# KiCad board Boston-keyboard-S.kicad_pcb (continued)
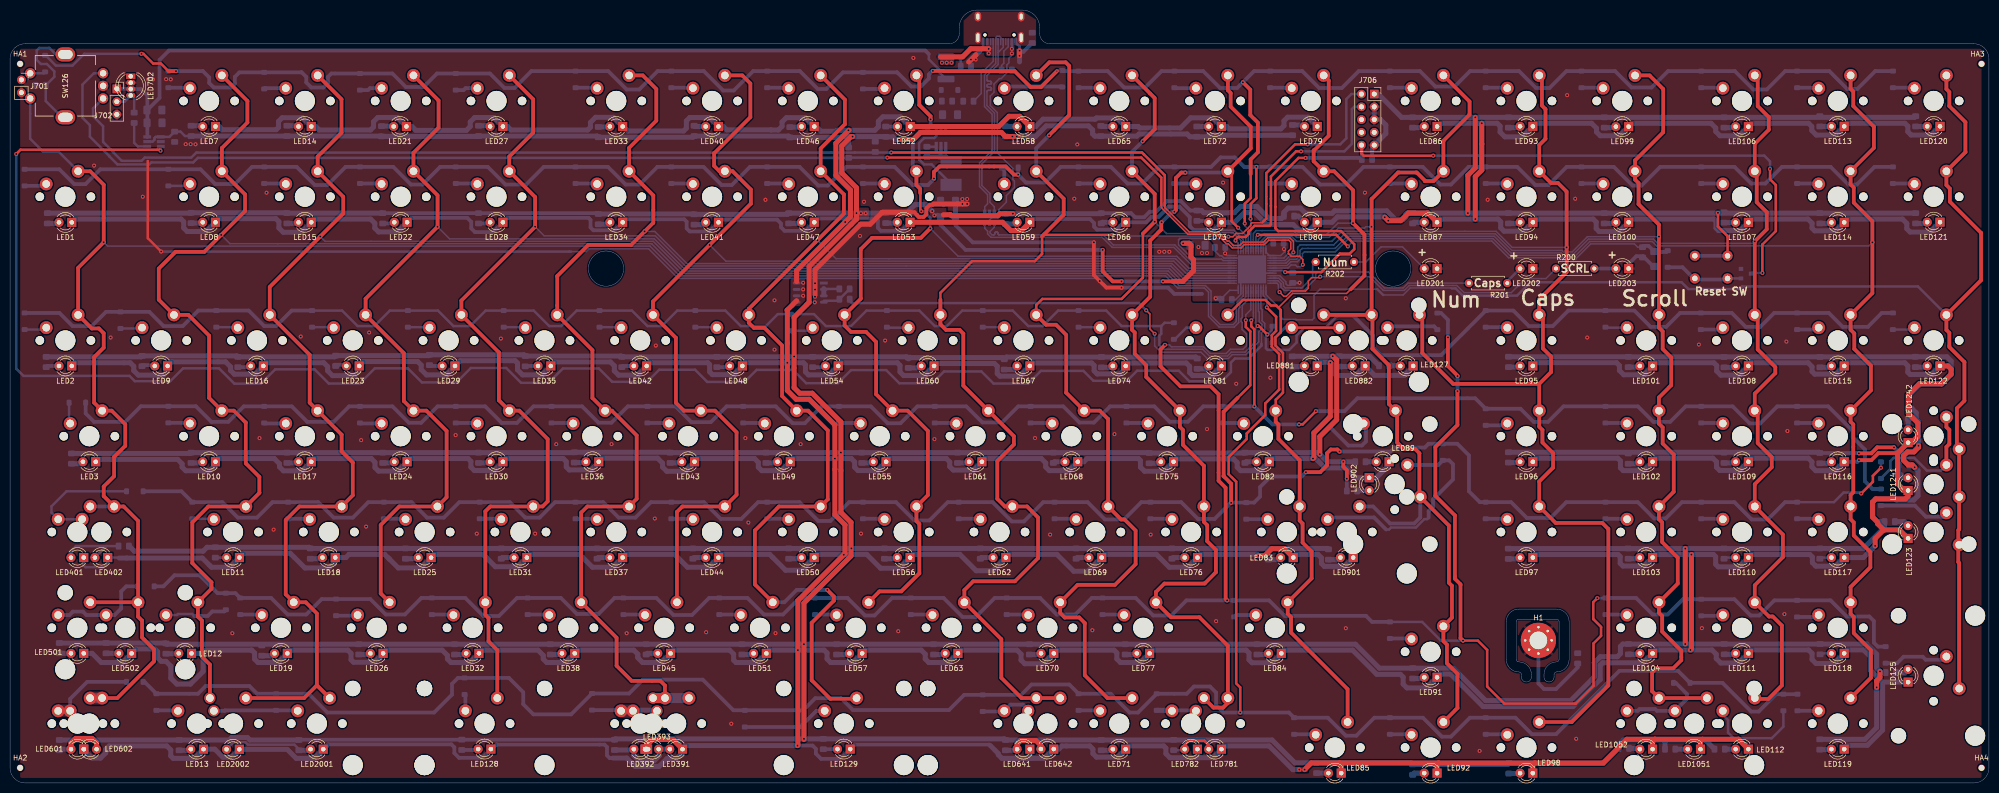
[diagram p0: board, top side]
## Routing (per net, layer and track width the routed paths; a pad name or vN(x,y) marks a point on that pad's centre or on a via; arc(x,y) is an arc through that point) (continued)
Row2: length 440.9
  Top w0.5: v1(247.81,122.51) 247.81,116.26 246.7,115.15 246.7,113.42 ; 246.7,113.42 246.65,113.37 v1(246.65,112.2) ; 246.7,113.42 246.71,113.41
  Top w0.75: v1(200.45,120.97) 199.6,120.97 197.97,122.6 184.8,122.6 183.7,121.5 v1(183.7,120.2)
  Bottom w0.3: 247.59,122.42 247.5,122.51 ; U701.42 246.71,112.14 v1(246.65,112.2)
  Bottom w0.75: v1(200.45,120.97) D59.1 ; v1(183.7,120.2) 183.7,120.1 182.52,118.92 182.52,118.9 179.5,118.9 175.89,122.51 D53.1 166.31,122.51 162.6,118.8 160.7,118.8 156.99,122.51 D47.1 147.11,122.51 143.5,118.9 141.5,118.9 137.89,122.51 D41.1 128.71,122.51 125.2,119 122.4,119 118.89,122.51 D34.1 106.11,122.51 102.6,119 98.5,119 94.99,122.51 D28.1 85.51,122.51 82,119 79.7,119 76.19,122.51 D22.1 66.71,122.51 63.1,118.9 60.6,118.9 56.99,122.51 D15.1 48.11,122.51 44.7,119.1 40.8,119.1 37.86,122.03 D8.1 17.94,122.03 15,119.09 12.75,119.09 9.81,122.03 D1.1 ; 200.45,120.95 202,119.4 205.8,119.4 208.91,122.51 D66.1 218.89,122.51 222.2,119.2 225.1,119.2 228.41,122.51 D73.1 238.81,122.51 240.7,124.4 243.5,124.4 245.39,122.51 v1(247.81,122.51) D80.1 256.99,122.51 260.5,119 265.6,119 269.11,122.51 D87.1 280.89,122.51 284.4,119 286.5,119 290.01,122.51 D94.1 299.69,122.51 303.3,118.9 305.9,118.9 309.51,122.51 D100.1 318.89,122.51 322.6,118.8 324.4,118.8 328.11,122.51 D107.1 342.89,122.51 346.2,119.2 349,119.2 352.31,122.51 D114.1 361.99,122.51 365.5,119 367.2,119 370.71,122.51 D121.1
Row3: length 446.5
  Top w0.5: v1(248.06,90.86) 248.32,90.86 v1(250,89.17)
  Bottom w0.3: 228.53,87.05 229.32,86.25 237.11,86.25 238.46,84.91 242.07,84.91 242.84,85.67 245.56,85.67 247.66,87.78 247.66,90.46 v1(248.06,90.86) 247.71,91.2 U701.17
  Bottom w0.5: 228.53,87.05 228.53,88.95 228.9,89.33 228.9,90.86 ; 250.86,90.86 250.86,89.99 249.72,88.85 249.72,86.44 250.04,86.12 254.33,86.12 255.8,87.59 255.8,88.98 257.45,90.63 261.66,90.63 263.79,92.76 267.22,92.76 ; 228.9,90.86 229.56,91.52 D81.1 ; 228.9,90.86 221.03,90.86 217.95,93.94 D74.1 208.39,93.94 205.31,90.86 202.45,90.86 199.37,93.94 D67.1 189.34,93.94 186.26,90.86 183.88,90.86 180.8,93.94 D60.1 170.29,93.94 167.21,90.86 162.22,90.86 159.85,93.22 152.65,93.22 150.28,90.86 145.3,90.86 142.22,93.94 D48.1 132.66,93.94 129.59,90.86 126.73,90.86 123.65,93.94 D42.1 112.66,93.94 109.58,90.86 107.2,90.86 104.12,93.94 D35.1 94.56,93.94 91.49,90.86 88.15,90.86 85.07,93.94 D29.1 75.51,93.94 72.44,90.86 69.1,90.86 66.02,93.94 D23.1
  Bottom w0.75: D23.1 55.99,93.94 52.91,90.86 50.53,90.86 47.45,93.94 D16.1 37.42,93.94 34.34,90.86 30.53,90.86 27.7,93.68 D9.1 19.06,93.68 16.24,90.86 12.43,90.86 9.83,93.46 D2.1 ; D122.1 372.16,93.46 369.4,90.7 364.4,90.7 361.64,93.46 D115.1 350.76,93.46 348,90.7 345.1,90.7 342.34,93.46 D108.1 332.06,93.46 329.3,90.7 326.2,90.7 322.96,93.94 D101.1 309.83,93.94 306.75,90.86 301.99,90.86 298.91,93.94 D95.1 284.55,85.07 272.58,85.07 271,86.65 271,88.98 267.22,92.76
Row4: length 437.7
  Top w0.5: v1(246.8,92) 246.8,90.8 247.41,90.19 v1(247.41,74.89) ; v1(259.64,73.93) 257.01,71.3 v1(256.3,71.3)
  Bottom w0.3: v1(246.8,92) 247.21,92.41 U701.18
  Bottom w0.75: D123.1 370.35,58.45 368.8,60 368.8,66.32 366.4,68.72 366.4,70 361.51,74.89 D116.1 351.39,74.89 348,71.5 345.9,71.5 342.51,74.89 D109.1 333.17,74.89 330.09,71.81 326.75,71.81 323.68,74.89 D102.1 308.88,74.89 305.8,71.81 302.94,71.81 300.34,74.41 D96.1 291.33,76.5 267.9,76.5 265.33,73.93 D89.1 v1(259.64,73.93) ; v1(256.3,71.3) 251,71.3 v1(247.41,74.89) D82.1 237.26,74.89 234.2,71.83 230.57,71.83 227.51,74.89 D75.1 218.73,74.89 215.51,71.67 212.63,71.67 209.41,74.89 D68.1 200.46,74.89 197.26,71.69 193.33,71.69 190.13,74.89 D61.1 180.41,74.89 177.05,71.53 174.51,71.53 171.15,74.89 D55.1 161.38,74.89 158.02,71.53 155.61,71.53 152.25,74.89 D49.1 142.47,74.89 139.33,71.75 135.47,71.75 132.33,74.89 D43.1 122.83,74.89 119.58,71.64 116.99,71.64 113.74,74.89 D36.1 104.08,74.89 100.79,71.6 97.76,71.6 94.47,74.89 D30.1 85.01,74.89 81.75,71.63 79.3,71.63 76.04,74.89 D24.1 67.42,74.89 64.34,71.81 59.1,71.81 56.02,74.89 D17.1 46.46,74.89 43.39,71.81 40.05,71.81 36.95,74.91 D10.1 26.01,74.91 22.91,71.81 16.72,71.81 15.03,73.49 15.03,75.84 D3.1
Row5: length 452.4
  Top w0.5: v1(368.08,57.56) 370.4,59.88 370.4,61.08 v1(372,62.67) ; 244.1,76.6 246.6,79.1 246.6,89.8 245.7,90.7 v1(245.7,92)
  Top w0.75: v1(257.67,61.8) 260.5,61.8 261.86,63.16 261.86,65.57 262.6,66.31 263.94,66.31 v1(264.34,65.91) ; v1(242.8,55.7) 242.8,59.5 241.3,61 241.3,73.8 244.1,76.6
  Bottom w0.3: U701.19 246.71,94.11 245.7,93.1 v1(245.7,92)
  Bottom w0.5: v1(372,62.67) D124.1 ; v1(368.08,57.56) 367.89,57.75 364.57,57.75 362.66,55.84 D117.1
  Bottom w0.75: D4.1 34.08,58 D11.1 42.21,55.84 45.29,52.76 49.1,52.76 52.18,55.84 D18.1 61.26,55.84 64.34,52.76 68.15,52.76 71.23,55.84 D25.1 79.84,55.84 82.91,52.76 86.25,52.76 89.33,55.84 D31.1 99.36,55.84 102.44,52.76 105.3,52.76 108.38,55.84 D37.1 117.94,55.84 121.01,52.76 124.35,52.76 127.43,55.84 D44.1 137.96,55.84 141.3,52.5 145.4,52.5 148.74,55.84 D50.1 156.96,55.84 160.7,52.1 163.1,52.1 166.84,55.84 D56.1 176.16,55.84 179.8,52.2 182.8,52.2 186.44,55.84 D62.1 195.36,55.84 199.2,52 201.6,52 205.44,55.84 D69.1 214.26,55.84 217.7,52.4 221.5,52.4 224.94,55.84 D76.1 232.86,55.84 236.2,52.5 239.5,52.5 242.75,55.75 D83.1 247.35,55.75 248.55,56.95 248.55,58.84 250.65,60.94 256.81,60.94 v1(257.67,61.8) ; D117.1 352.94,55.84 349.5,52.4 346.3,52.4 342.86,55.84 D110.1 332.44,55.84 329.2,52.6 326.9,52.6 323.66,55.84 D103.1 309.44,55.84 306.3,52.7 301.6,52.7 298.46,55.84 D97.1 292.24,55.84 290.08,58 290.08,65.14 287.77,67.45 D90.1 282.05,67.45 281.3,66.7 275.3,66.7 274.51,65.91 v1(264.34,65.91)
Row6: length 580.1
  Top w0.5: v1(315.6,36.75) 314.8,35.95 314.8,32.57 316.35,31.03 316.35,29.25 314.85,27.75 314.85,19.32 311.3,15.78 297.1,15.78 293.7,19.18 293.7,26.45 291.85,28.3 v1(288.9,28.3)
  Top w0.75: v1(288.9,28.3) 288.4,28.8 288.4,39.5 287.3,40.6 287.3,53.2 283.4,57.1 283.4,66.8 287.8,71.2 v1(287.8,77.9) ; v1(241.99,36.31) 241.7,36.6 241.7,58.7 240.3,60.1 240.3,77.29 238.72,78.87 232.73,78.87 228.75,82.85 228.75,86.22 v1(229.64,87.11) ; v1(285.9,88.6) 285.9,82.9 287.8,81 v1(287.8,80.9)
  Bottom w0.3: U701.20 246.21,96.16 245,94.95 245,92.55 244.77,92.31 244.77,91.77 244.98,91.56 244.98,90.16 245.86,89.27 245.86,86.96 245.16,86.25 242.65,86.25 241.8,85.41 238.64,85.41 237.31,86.73 230.93,86.73 230.55,87.11 v1(229.64,87.11)
  Bottom w0.5: D91.1 280.78,32.02 284.5,28.3 v1(288.9,28.3) ; v1(315.6,36.75) 317.19,36.75 D104.1
  Bottom w0.75: v1(287.8,80.9) v1(287.8,77.9) ; D104.1 323.31,36.79 326.6,33.5 329.6,33.5 332.63,36.53 D111.1 342.87,36.53 346.1,33.3 347.8,33.3 350.81,36.31 D118.1 361.99,36.31 365.2,33.1 369.7,33.1 370.6,32.2 370.6,27.9 371.39,27.11 D125.1 ; v1(285.9,88.6) 285.9,92.1 284.55,93.45 D127.1 ; D91.1 270.81,32.02 269.6,33.23 253.41,33.23 250.33,36.31 D84.1 v1(241.99,36.31) 233.91,36.31 230.9,33.3 227.3,33.3 223.81,36.79 D77.1 215.75,36.79 215.74,36.8 215.1,36.8 211.8,33.5 208.1,33.5 204.81,36.79 D70.1 195.79,36.79 192,33 189.4,33 185.61,36.79 D63.1 175.39,36.79 171.9,33.3 170,33.3 166.51,36.79 D57.1 156.99,36.79 153.7,33.5 149.9,33.5 146.61,36.79 D51.1 138.99,36.79 135.6,33.4 131.9,33.4 128.51,36.79 D45.1 120.19,36.79 117,33.6 112.7,33.6 109.51,36.79 D38.1 100.79,36.79 97.2,33.2 94.1,33.2 90.51,36.79 D32.1 81.79,36.79 78.5,33.5 74.7,33.5 71.64,36.56 D26.1 61.97,36.56 58.9,33.5 55.2,33.5 51.91,36.79 D19.1 44.81,37.74 D12.1 41.26,37.74 37.7,41.3 32.7,41.3 30.5,39.1 D5.1
Row7: length 468.6
  Top w0.5: v1(249.89,94.57) 251.74,92.72 251.74,89.9 250.87,89.03 250.87,86.76 252.34,85.29 252.34,78.22 249.58,75.46 249.58,73.18 245.9,69.5 245.9,68.4 242.3,64.8 242.3,61.4 243.8,59.9 243.8,19.8 244.6,19 v1(244.6,14)
  Bottom w0.3: 249.2,97.15 249.21,97.16 U701.14 249.21,96.93 249.89,96.25 v1(249.89,94.57)
  Bottom w0.75: D6.1 26.73,20.1 D13.1 37.36,17.74 38.9,19.28 47.6,19.28 49.14,17.74 D20.1 59.36,17.74 63.1,14 84.31,14 87.87,17.57 87.87,19.71 89.05,20.88 D128.1 99.19,20.88 102.03,18.04 102.03,15.66 104.06,13.64 111.57,13.64 115.72,17.79 123.08,17.79 125.84,20.54 137.74,20.54 143.82,14.46 157.71,14.46 160.11,16.85 165.22,16.85 167.58,14.5 186.7,14.5 189.72,17.51 D64.1 201.04,17.51 203.1,19.57 210.62,19.57 D71.1 218.86,17.74 222.6,14 224.26,14 D78.1 233.96,17.74 235.4,19.18 238.6,19.18 239.8,17.97 239.8,15.47 241.27,14 v1(244.6,14) 254.29,14 D85.1 262.03,12.97 265.6,9.4 267.7,9.4 271.27,12.97 D92.1 280.93,12.97 284.7,9.2 286.5,9.2 290.27,12.97 D98.1 299.33,12.97 302.6,9.7 307.4,9.7 320,22.3 331.65,22.3 D105.1 340.5,19.9 346.2,14.2 347.7,14.2 351.15,17.65 D112.1 D119.1
SCRL_INDICATOR: length 4.9
  Bottom w0.5: 318.88,102.7 LED203.2
  Bottom w0.75: R200.1 319.28,102.3 LED203.2
SWCLK: length 48.7
  Top w0.5: v1(256.7,125.6) 255.7,125.6 250.7,120.6 250.7,111.05 250.45,110.8 247.45,110.8 246.26,109.61 246.26,109.16 245.68,108.58 244.15,108.58 243.66,108.09 v1(243.66,107.86)
  Bottom w0.3: v1(243.66,107.86) 244.21,107.31 U701.37 244.21,107.09
  Bottom w0.5: J706.4 267.26,134.46 266.8,134 266.8,127.1 265.3,125.6 v1(256.7,125.6)
SWDIO: length 71.2
  Top w0.3: 249.15,111.6 248.94,111.39 246.93,111.39 246.68,111.14 246.68,110.86 245.1,109.28 243.8,109.28 243.15,108.62 v1(242.25,108.62)
  Top w0.5: 249.15,111.6 249.8,112.25 249.8,121.3 255.5,127 v1(258,127)
  Bottom w0.3: U701.34 241.19,103.88 240.9,104.17 235.2,104.17 232.34,107.03 232.34,108.03 232.59,108.28 240.27,108.28 240.61,108.62 v1(242.25,108.62)
  Bottom w0.5: v1(258,127) 264.5,127 265.7,128.2 265.7,136 266.7,137 J706.2
Net-(C703-Pad1): length 1.9
  Bottom w0.5: U702.6 184.12,126.53 C703.1
Net-(C703-Pad2): length 7.4
  Bottom w0.5: 184.78,124.47 185.1,124.8 U702.5
  Bottom w1: C703.2 186.07,124.47 L701.1
Net-(D1-Pad2): length 4.4
  Bottom w0.75: D1.2 6.81,118.73 SW1.2
Net-(D2-Pad2): length 4.4
  Bottom w0.5: SW2.2 6.81,90.16 D2.2
Net-(D3-Pad2): length 4.5
  Bottom w0.5: 11.95,75.4 D3.2 11.73,71.71 SW3.2
Net-(D4-Pad2): length 24
  Bottom w0.5: SW4-2.2 SW4-1.2 8.24,53.77 8.24,55.01 11.23,58 D4.2
Net-(D5-Pad2): length 20.7
  Bottom w0.75: SW5-2.2 20.79,33.39 22.1,34.7 22.1,38.1 23.1,39.1 D5.2 ; SW5-2.2 15.19,33.39 14.5,34.07 12.5,34.07 11.81,33.39 SW5-1.2 9.58,33.4 ; SW5-2.2 19.09,33.4
Net-(D6-Pad2): length 17.8
  Top w1: 10.06,14.34 SW6-1.2 SW6-2.2
  Bottom w0.75: D6.2 15.33,20.1 11.95,16.72 SW6-2.2
Net-(D7-Pad2): length 4.3
  Bottom w0.75: D7.2 35.67,138.26 SW7.2
Net-(D8-Pad2): length 4.4
  Bottom w0.5: D8.2 35.39,118.73 SW8.2
Net-(D9-Pad2): length 4.4
  Bottom w0.5: D9.2 26.08,90.38 SW9.2
Net-(D10-Pad2): length 4.3
  Bottom w0.5: 35.64,71.61 SW10.2
  Bottom w0.75: D10.2 35.64,71.61
Net-(D11-Pad2): length 4.3
  Bottom w0.5: D11.2 40.43,52.54 SW11.2
Net-(D12-Pad2): length 12.7
  Bottom w0.5: 36.6,33.2 36.2,33.6 33.4,33.6 33.19,33.39 SW12.2
  Bottom w0.75: 36.6,33.2 39.3,33.2 40.2,34.1 42.57,34.1 D12.2
Net-(D13-Pad2): length 4.3
  Bottom w0.75: SW13.2 33.29,14.44 D13.2
Net-(D14-Pad2): length 4.4
  Bottom w0.75: SW14.2 50.69,138.16 D14.2
Net-(D15-Pad2): length 4.3
  Bottom w0.75: SW15.2 54.72,119.21 D15.2
Net-(D16-Pad2): length 4.3
  Bottom w0.5: D16.2 45.19,90.64 SW16.2
Net-(D17-Pad2): length 4.3
  Bottom w0.5: 50.62,71.49 D17.2
  Bottom w0.75: SW17.2 50.62,71.49
Net-(D18-Pad2): length 4.3
  Bottom w0.75: D18.2 59.48,52.54 SW18.2
Net-(D19-Pad2): length 4.3
  Bottom w0.75: D19.2 49.96,33.49 SW19.2
Net-(D20-Pad2): length 16.7
  Bottom w0.75: SW20-1.2 57.1,14.44 D20.2 42.76,14.44 42.67,14.34 SW20-2.2
Net-(D21-Pad2): length 4.4
  Bottom w0.75: 69.58,137.78 71.19,137.78 71.56,138.16 SW21.2
Net-(D22-Pad2): length 4.3
  Bottom w0.75: SW22.2 73.77,119.21 D22.2
Net-(D23-Pad2): length 4.3
  Bottom w0.5: D23.2 64.24,90.64 SW23.2
Net-(D24-Pad2): length 4.3
  Bottom w0.5: 69.67,71.49 D24.2
  Bottom w0.75: SW24.2 69.67,71.49
Net-(D25-Pad2): length 4.3
  Bottom w0.75: D25.2 78.53,52.54 SW25.2
Net-(D26-Pad2): length 4.3
  Bottom w0.75: D26.2 68.98,33.26 SW26.2
Net-(D27-Pad2): length 4.4
  Bottom w0.75: 88.63,137.78 90.19,137.78 90.56,138.16 SW27.2
Net-(D28-Pad2): length 4.3
  Bottom w0.75: D28.2 92.82,119.21 SW28.2
Net-(D29-Pad2): length 4.3
  Bottom w0.5: D29.2 83.29,90.64 SW29.2
Net-(D30-Pad2): length 4.3
  Bottom w0.75: SW30.2 92.82,71.59 D30.2
Net-(D31-Pad2): length 4.3
  Bottom w0.75: SW31.2 97.58,52.54 D31.2
Net-(D32-Pad2): length 4.3
  Bottom w0.75: D32.2 88.06,33.49 SW32.2
Net-(D33-Pad2): length 4.3
  Bottom w0.75: D33.2 116.63,138.26 SW33.2
Net-(D34-Pad2): length 4.3
  Bottom w0.75: D34.2 116.63,119.21 SW34.2
Net-(D35-Pad2): length 4.3
  Bottom w0.5: D35.2 102.34,90.64 SW35.2
Net-(D36-Pad2): length 4.3
  Bottom w0.75: SW36.2 111.87,71.59 D36.2
Net-(D37-Pad2): length 4.3
  Bottom w0.75: SW37.2 116.63,52.54 D37.2
Net-(D38-Pad2): length 4.3
  Bottom w0.75: D38.2 107.11,33.49 SW38.2
Net-(D39-Pad2): length 13.1
  Top w0.5: SW39-2.2 SW39-3.2
  Bottom w0.75: SW39-2.2 121.34,14.49 D39.2
  Bottom w1: SW39-1.2 128.5,14.47 124.01,14.47 SW39-3.2
Net-(D40-Pad2): length 4.3
  Bottom w0.75: SW40.2 135.68,138.26 D40.2
Net-(D41-Pad2): length 4.3
  Bottom w0.75: D41.2 135.68,119.21 SW41.2
Net-(D42-Pad2): length 4.3
  Bottom w0.5: D42.2 121.39,90.64 SW42.2
Net-(D43-Pad2): length 4.3
  Bottom w0.75: SW43.2 130.92,71.59 D43.2
Net-(D44-Pad2): length 4.3
  Bottom w0.75: SW44.2 135.68,52.54 D44.2
Net-(D45-Pad2): length 4.3
  Bottom w0.75: SW45.2 126.16,33.49 D45.2
Net-(D46-Pad2): length 4.3
  Bottom w0.75: SW46.2 154.73,138.26 D46.2
Net-(D47-Pad2): length 4.3
  Bottom w0.75: SW47.2 154.73,119.21 D47.2
Net-(D48-Pad2): length 4.3
  Bottom w0.5: D48.2 140.44,90.64 SW48.2
Net-(D49-Pad2): length 4.3
  Bottom w0.75: D49.2 149.97,71.59 SW49.2
Net-(D50-Pad2): length 4.3
  Bottom w0.75: D50.2 154.73,52.54 SW50.2
Net-(D51-Pad2): length 4.3
  Bottom w0.75: D51.2 145.21,33.49 SW51.2
Net-(D52-Pad2): length 4.4
  Bottom w0.75: SW52.2 173.72,138.01 D52.2
Net-(D53-Pad2): length 4.3
  Bottom w0.75: D53.2 173.78,119.21 SW53.2
Net-(D54-Pad2): length 4.7
  Bottom w0.5: 159.49,90.64 SW54.2 158.97,89.92 D54.2
Net-(D55-Pad2): length 4.3
  Bottom w0.75: D55.2 169.02,71.59 SW55.2
Net-(D56-Pad2): length 4.3
  Bottom w0.75: SW56.2 173.78,52.54 D56.2
Net-(D57-Pad2): length 4.3
  Bottom w0.75: D57.2 164.26,33.49 SW57.2
Net-(D58-Pad2): length 11.6
  Bottom w0.75: 209.15,138.5 198.03,138.5 SW58.2
Net-(D59-Pad2): length 3.8
  Bottom w0.75: 197.58,119.22 SW59.2 ; SW59.2 197.69,121.86 D59.2 ; SW59.2 197.59,119.21
Net-(D60-Pad2): length 4.3
  Bottom w0.5: D60.2 174.45,90.54 SW60.2
Net-(D61-Pad2): length 4.3
  Bottom w0.75: D61.2 188.07,71.59 SW61.2
Net-(D62-Pad2): length 4.3
  Bottom w0.75: D62.2 192.83,52.54 SW62.2
Net-(D63-Pad2): length 4.3
  Bottom w0.75: D63.2 183.31,33.49 SW63.2
Net-(D64-Pad2): length 10.2
  Bottom w0.75: SW64-2.2 202.45,14.52 201.4,15.57 198.93,15.57 SW64-1.2 197.56,14.22 D64.2
Net-(D65-Pad2): length 4.3
  Bottom w0.75: D65.2 216.64,138.26 SW65.2
Net-(D66-Pad2): length 4.3
  Bottom w0.75: SW66.2 216.64,119.21 D66.2
Net-(D67-Pad2): length 4.3
  Bottom w0.5: D67.2 197.59,90.64 SW67.2
Net-(D68-Pad2): length 4.3
  Bottom w0.75: D68.2 207.12,71.59 SW68.2
Net-(D69-Pad2): length 4.3
  Bottom w0.75: D69.2 211.88,52.54 SW69.2
Net-(D70-Pad2): length 4.3
  Bottom w0.75: D70.2 202.36,33.49 SW70.2
Net-(D71-Pad2): length 4.3
  Bottom w0.75: SW71.2 216.64,14.44 D71.2
Net-(D72-Pad2): length 4.3
  Bottom w0.75: SW72.2 231.6,138.16 D72.2
Net-(D73-Pad2): length 4.3
  Bottom w0.75: SW73.2 235.69,119.21 D73.2
Net-(D74-Pad2): length 4.3
  Bottom w0.5: D74.2 216.64,90.64 SW74.2
Net-(D75-Pad2): length 4.3
  Bottom w0.75: SW75.2 226.17,71.59 D75.2
Net-(D76-Pad2): length 4.3
  Bottom w0.75: D76.2 230.93,52.54 SW76.2
Net-(D77-Pad2): length 4.3
  Bottom w0.75: D77.2 221.41,33.49 SW77.2
Net-(D78-Pad2): length 7.4
  Bottom w0.75: 231.5,14.44 235.69,14.44 SW78-1.2
  Bottom w1: D78.2 230.93,14.44 SW78-2.2
Net-(D79-Pad2): length 4.3
  Bottom w0.75: SW79.2 254.74,138.26 D79.2
Net-(D80-Pad2): length 4.3
  Bottom w0.75: SW80.2 254.74,119.21 D80.2
Net-(D81-Pad2): length 5.3
  Bottom w0.5: SW81.2 233.89,90.54 231.57,88.22 231.41,88.22
Net-(D82-Pad2): length 4.3
  Bottom w0.75: SW82.2 245.22,71.59 D82.2
Net-(D83-Pad2): length 4.3
  Bottom w0.75: D83.2 250.07,52.45 SW83.2
Net-(D84-Pad2): length 4.4
  Bottom w0.75: SW84.2 243.79,33.39 D84.2
Net-(D85-Pad2): length 4.3
  Bottom w0.75: D85.2 259.51,9.67 SW85.2
Net-(D86-Pad2): length 4.3
  Bottom w0.75: D86.2 278.56,138.26 SW86.2
Net-(D87-Pad2): length 4.3
  Bottom w0.75: SW87.2 278.56,119.21 D87.2
Net-(D88-Pad2): length 14.9
  Top w0.5: SW88-1.2 SW88-2.2
  Bottom w0.5: D88.2 251.02,88.06 253.5,90.54 SW88-1.2
Net-(D89-Pad2): length 12.5
  Bottom w0.75: D89.2 262.57,70.63 266.1,67.1 268.8,67.1 269.61,67.91 269.61,71.49
Net-(D90-Pad2): length 44.6
  Bottom w0.5: 273.6,50.4 274.2,50.4 274.59,50.79 279.53,50.79 281.2,52.46 281.76,52.46 282.06,52.76
  Bottom w0.75: SW90-2.2 283.99,63.23 D90.2 286.15,64.15 286.9,63.4 286.9,60.34 282.94,56.38 282.94,54.93 282.06,54.05 282.06,52.76 ; SW90-1.2 262.34,52.8 271.2,52.8 273.6,50.4
Net-(D91-Pad2): length 4.3
  Bottom w0.75: D91.2 278.56,28.72 SW91.2
Net-(D92-Pad2): length 4.3
  Bottom w0.75: SW92.2 278.56,9.67 D92.2
Net-(D93-Pad2): length 4.3
  Bottom w0.75: SW93.2 297.61,138.26 D93.2
Net-(D94-Pad2): length 4.3
  Bottom w0.75: D94.2 297.61,119.21 SW94.2
Net-(D95-Pad2): length 4.3
  Bottom w0.75: SW95.2 297.61,90.64 D95.2
Net-(D96-Pad2): length 4.4
  Bottom w0.75: D96.2 297.32,71.11 SW96.2
Net-(D97-Pad2): length 4.3
  Bottom w0.75: D97.2 297.61,52.54 SW97.2
Net-(D98-Pad2): length 4.3
  Bottom w0.75: D98.2 297.61,9.67 SW98.2
Net-(D99-Pad2): length 4.3
  Bottom w0.75: SW99.2 316.66,138.26 D99.2
Net-(D100-Pad2): length 4.3
  Bottom w0.75: SW100.2 316.66,119.21 D100.2
Net-(D101-Pad2): length 4.3
  Bottom w0.5: SW101.2 317.32,90.54 D101.2
Net-(D102-Pad2): length 4.3
  Bottom w0.75: D102.2 321.42,71.59 SW102.2
Net-(D103-Pad2): length 4.3
  Bottom w0.75: D103.2 321.42,52.54 SW103.2
Net-(D104-Pad2): length 4.3
  Bottom w0.75: SW104.2 321.42,33.49 D104.2
Net-(D105-Pad2): length 18.1
  Bottom w0.75: 330.75,14.63 SW105-1.2 ; SW105-1.2 333.4,16.7 333.4,17.7 331.2,19.9 D105.2 ; SW105-1.2 327.46,14.34 327.1,14.7 324,14.7 323.65,14.35 321.52,14.35 SW105-2.2
Net-(D106-Pad2): length 4.3
  Bottom w0.75: D106.2 340.47,138.26 SW106.2
Net-(D107-Pad2): length 4.3
  Bottom w0.75: D107.2 340.47,119.21 SW107.2
Net-(D108-Pad2): length 4.5
  Bottom w0.75: SW108.2 340.19,90.16 D108.2
Net-(D109-Pad2): length 4.3
  Bottom w0.75: D109.2 340.47,71.59 SW109.2
Net-(D110-Pad2): length 4.3
  Bottom w0.75: D110.2 340.47,52.54 SW110.2
Net-(D111-Pad2): length 4.4
  Bottom w0.75: SW111.2 340.41,33.23 D111.2
Net-(D112-Pad2): length 20.3
  Bottom w0.3: SW112.2 340.56,13.53
  Bottom w0.5: 340.56,13.53 341.6,12.5 341.6,10 342.7,8.9 350.3,8.9 352.6,11.2 D112.2
Net-(D113-Pad2): length 4.3
  Bottom w0.75: SW113.2 359.52,138.26 D113.2
Net-(D114-Pad2): length 4.3
  Bottom w0.75: SW114.2 359.52,119.21 D114.2
Net-(D115-Pad2): length 4.4
  Bottom w0.75: D115.2 359.24,90.16 SW115.2
Net-(D116-Pad2): length 4.3
  Bottom w0.75: D116.2 359.52,71.59 SW116.2
Net-(D117-Pad2): length 4.3
  Bottom w0.75: D117.2 359.52,52.54 SW117.2
Net-(D118-Pad2): length 4.4
  Bottom w0.75: SW118.2 359.24,33.01 D118.2
Net-(D119-Pad2): length 4.2
  Bottom w0.75: SW119.2 359.61,14.35 D119.2
Net-(D120-Pad2): length 4.3
  Bottom w0.75: D120.2 378.57,138.26 SW120.2
Net-(D121-Pad2): length 4.3
  Bottom w0.75: D121.2 378.57,119.21 SW121.2
Net-(D122-Pad2): length 4.4
  Bottom w0.5: SW122.2 378.29,90.16 D122.2
Net-(D123-Pad2): length 14.3
  Bottom w0.75: SW123.2 384.24,52.94 380.96,52.94 378.75,55.15 D123.2
Net-(D124-Pad2): length 27.1
  Top w0.75: SW124-2.2 385.01,70.78 385.6,70.2 385.6,67.4 385.01,66.81 SW124-1.2
  Bottom w0.5: D124.2 372,60.57 373.88,62.45 373.88,64.01 374.5,64.63 378.63,64.63 381.13,62.13 383.91,62.13 SW124-1.2
Net-(D125-Pad2): length 13.1
  Bottom w0.75: SW125.2 384.38,24.5 380.9,24.5 380.3,25.1 376.5,25.1 375.21,23.81 D125.2
Net-(D126-Pad2): length 3.1
  Bottom w0.5: D126.2 6.7,141.12 SW126.S2
Net-(D127-Pad2): length 10.3
  Bottom w0.75: D127.2 283.15,90.8 274.15,90.8 SW127.2
Net-(D128-Pad2): length 3.3
  Bottom w0.75: D128.2 90.53,17.42 SW128.2
Net-(D129-Pad2): length 17.2
  Bottom w0.75: SW129.2 160.33,14.34 157.15,11.16 156.3,11.16 156.27,11.12 D129.2
Net-(D703-Pad2): length 15.6
  Bottom w0.5: Q701.1 344.17,100.33 SW200.2
  Bottom w0.75: D703.2 332.55,102.55 335,100.1 341.5,100.1
Net-(H1-Pad1): length 19.4
  Bottom w0.75: L2.2 311.7,22.97 307.4,18.68 305,18.68 303.89,19.78 H1.1
Net-(J705-PadA5): length 14
  Bottom w0.3: 195.49,147.97 195.49,143.51 193.1,141.12 193.1,137.1 R704.2
Net-(J705-PadB5): length 6.8
  Bottom w0.3: 198.49,147.97 198.49,146.41 197.6,145.53 197.6,143.12 197.15,142.68 R705.2
Net-(L1-Pad1): length 24.6
  Bottom w0.5: SW126.S 9.12,144.88 7.83,146.18 5.8,146.18 5.3,145.68 5.3,143.8 6.12,142.97 7.33,142.97 8.8,141.5 8.8,140.43 L1.1 7.1,135.6 10.33,132.38 SW126.S
Net-(LED1-Pad2): length 2.4
  Bottom w1: LED1.2 9.52,111.26 R1.2
Net-(LED2-Pad2): length 2.6
  Bottom w0.75: R2.2 7.42,82.92 LED2.2
Net-(LED3-Pad2): length 2.4
  Bottom w1: R3.2 14.1,63.48 LED3.2
Net-(LED7-Pad2): length 2.4
  Bottom w1: R7.2 38.15,130.7 LED7.2
Net-(LED8-Pad2): length 2.4
  Bottom w1: R8.2 38.15,111.34 LED8.2
Net-(LED9-Pad2): length 2.6
  Bottom w0.75: LED9.2 28.61,83.09 26.24,83.09
Net-(LED10-Pad2): length 2.4
  Bottom w1: LED10.2 38.07,63.64 R10.2
Net-(LED11-Pad2): length 2.3
  Bottom w0.5: R11.2 40.83,44.82 LED11.2
Net-(LED12-Pad2): length 2.6
  Bottom w1: LED12.2 33.47,25.7 R12.2
Net-(LED13-Pad2): length 2.4
  Bottom w1: R13.2 35.69,6.49 LED13.2
Net-(LED14-Pad2): length 2.4
  Bottom w1: R14.2 57.2,130.7 57.36,130.55
Net-(LED15-Pad2): length 2.4
  Bottom w1: 57.36,111.5 57.12,111.26 R15.2
Net-(LED16-Pad2): length 2.6
  Bottom w0.75: LED16.2 47.6,82.69 R16.2
Net-(LED17-Pad2): length 2.4
  Bottom w1: 57.36,63.87 57.12,63.64 R17.2
Net-(LED18-Pad2): length 2.5
  Bottom w1: LED18.2 61.89,44.59 R18.2
Net-(LED19-Pad2): length 2.7
  Bottom w1: R19.2 52.12,25.3 LED19.2
Net-(LED21-Pad2): length 2.4
  Bottom w1: LED21.2 76.2,130.62 R21.2
Net-(LED22-Pad2): length 2.4
  Bottom w0.75: LED22.2 76.17,111.26 R22.2
Net-(LED23-Pad2): length 2.5
  Bottom w0.75: 64.5,83.17 66.64,83.17 LED23.2
Net-(LED24-Pad2): length 2.4
  Bottom w1: R24.2 76.17,63.64 LED24.2
Net-(LED25-Pad2): length 2.6
  Bottom w1: LED25.2 80.94,44.59 R25.2
Net-(LED26-Pad2): length 2.4
  Bottom w1: LED26.2 71.41,25.54 R26.2
Net-(LED27-Pad2): length 2.4
  Bottom w1: LED27.2 95.3,130.7 R27.2
Net-(LED28-Pad2): length 2.4
  Bottom w0.75: R28.2 95.22,111.26 LED28.2
Net-(LED29-Pad2): length 2.6
  Bottom w0.75: LED29.2 83.56,82.92 R29.2
Net-(LED30-Pad2): length 2.4
  Bottom w1: R30.2 95.22,63.64 LED30.2
Net-(LED31-Pad2): length 2.6
  Bottom w1: LED31.2 97.91,44.82 R31.2
Net-(LED32-Pad2): length 2.4
  Bottom w1: R32.2 90.46,25.54 LED32.2
Net-(LED33-Pad2): length 2.3
  Bottom w1: R33.2 119.18,130.46 LED33.2
Net-(LED34-Pad2): length 2.5
  Bottom w1: R34.2 118.87,111.1 LED34.2
Net-(LED35-Pad2): length 2.6
  Bottom w0.75: R35.2 102.51,82.92 LED35.2
Net-(LED36-Pad2): length 2.4
  Bottom w1: R36.2 114.35,63.71 LED36.2
Net-(LED37-Pad2): length 2.6
  Bottom w1: LED37.2 116.96,44.82 R37.2
Net-(LED38-Pad2): length 2.4
  Bottom w1: R38.2 109.51,25.54 LED38.2
Net-(LED40-Pad2): length 2.4
  Bottom w1: R40.2 136.17,130.55 LED40.2
Net-(LED41-Pad2): length 2.5
  Bottom w1: LED41.2 137.85,111.03 R41.2
Net-(LED42-Pad2): length 2.5
  Bottom w0.75: LED42.2 121.88,82.92 R42.2
Net-(LED43-Pad2): length 2.4
  Bottom w1: R43.2 133.32,63.64 LED43.2
Net-(LED44-Pad2): length 2.6
  Bottom w1: R44.2 136.01,44.82 LED44.2
Net-(LED45-Pad2): length 2.4
  Bottom w1: R45.2 126.72,25.77 LED45.2
Net-(LED46-Pad2): length 2.4
  Bottom w1: LED46.2 157.24,130.42 R46.2
Net-(LED47-Pad2): length 2.6
  Bottom w1: R47.2 157.14,111.26 LED47.2
Net-(LED48-Pad2): length 2.6
  Bottom w0.75: R48.2 142.85,82.69 LED48.2
Net-(LED49-Pad2): length 2.4
  Bottom w1: R49.2 152.37,63.64 152.6,63.87
Net-(LED50-Pad2): length 2.6
  Bottom w1: R50.2 157.14,44.59 LED50.2
Net-(LED51-Pad2): length 2.4
  Bottom w1: LED51.2 147.61,25.54 R51.2
Net-(LED52-Pad2): length 2.3
  Bottom w0.75: LED52.2 176.45,130.53 R52.2
Net-(LED53-Pad2): length 2.4
  Bottom w1: LED53.2 176.26,111.34 R53.2
Net-(LED54-Pad2): length 2.6
  Bottom w0.75: R54.2 161.9,82.69 LED54.2
Net-(LED55-Pad2): length 2.4
  Bottom w1: LED55.2 171.42,63.64 R55.2
Net-(LED56-Pad2): length 2.6
  Bottom w1: LED56.2 176.19,44.59 R56.2
Net-(LED57-Pad2): length 2.6
  Bottom w1: LED57.2 166.66,25.54 R57.2
Net-(LED58-Pad2): length 2.3
  Bottom w1: R58.2 197.98,130.55 LED58.2
Net-(LED59-Pad2): length 2.5
  Bottom w1: LED59.2 199.89,111.16 R59.2
Net-(LED60-Pad2): length 2.7
  Bottom w1: R60.2 180.79,82.53 LED60.2
Net-(LED61-Pad2): length 2.4
  Bottom w1: LED61.2 190.47,63.64 R61.2
Net-(LED62-Pad2): length 2.6
  Bottom w1: R62.2 193.16,44.82 LED62.2
Net-(LED63-Pad2): length 2.4
  Bottom w1: R63.2 185.71,25.54 LED63.2
Net-(LED65-Pad2): length 2.4
  Bottom w1: R65.2 217.03,130.55 LED65.2
Net-(LED66-Pad2): length 2.4
  Bottom w1: R66.2 217.21,111.5 LED66.2
Net-(LED67-Pad2): length 2.8
  Bottom w1: R67.2 199.52,82.21 LED67.2
Net-(LED68-Pad2): length 2.4
  Bottom w1: R68.2 207.68,63.87 LED68.2
Net-(LED69-Pad2): length 2.6
  Bottom w1: R69.2 212.21,44.82 LED69.2
Net-(LED70-Pad2): length 2.4
  Bottom w1: R70.2 204.76,25.54 LED70.2
Net-(LED71-Pad2): length 2.4
  Bottom w1: LED71.2 219.05,6.49 R71.2
Net-(LED72-Pad2): length 2.4
  Bottom w1: LED72.2 238.32,130.55 R72.2
Net-(LED73-Pad2): length 2.4
  Bottom w0.75: R73.2 238.05,111.78 LED73.2
Net-(LED74-Pad2): length 2.4
  Bottom w1: R74.2 219,82.64 LED74.2
Net-(LED75-Pad2): length 2.4
  Bottom w1: LED75.2 228.5,63.57 R75.2
Net-(LED76-Pad2): length 2.6
  Bottom w1: LED76.2 231.26,44.82 R76.2
Net-(LED77-Pad2): length 2.4
  Bottom w1: LED77.2 223.81,25.54 R77.2
Net-(LED79-Pad2): length 2.5
  Bottom w1: LED79.2 257.07,130.85 R79.2
Net-(LED80-Pad2): length 2.7
  Bottom w0.75: 257.25,111.38 LED80.2
  Bottom w1: LED80.2 256.15,112.72 R80.2
Net-(LED81-Pad2): length 2.5
  Bottom w1: 236.05,82.36 237.76,82.36 LED81.2
Net-(LED82-Pad2): length 2.4
  Bottom w1: R82.2 245.78,63.87 247.86,63.87
Net-(LED83-Pad2): length 2.5
  Bottom w1: LED83.2 252.22,44.43 250.24,44.43
Net-(LED84-Pad2): length 2.4
  Bottom w1: R84.2 250,25.54 LED84.2
Net-(LED85-Pad2): length 2.4
  Bottom w1: R85.2 262.14,1.96 LED85.2
Net-(LED86-Pad2): length 2.4
  Bottom w1: LED86.2 280.97,130.31 R86.2
Net-(LED87-Pad2): length 2.4
  Bottom w1: R87.2 279.13,111.5 LED87.2
Net-(LED89-Pad2): length 2.2
  Bottom w1: R89.2 LED89.2
Net-(LED91-Pad2): length 2.4
  Bottom w1: LED91.2 280.96,20.78 R91.2
Net-(LED92-Pad2): length 2.4
  Bottom w1: LED92.2 279.23,1.96 R92.2
Net-(LED93-Pad2): length 2.4
  Bottom w1: R93.2 299.99,130.31 LED93.2
Net-(LED94-Pad2): length 2.4
  Bottom w1: R94.2 300.02,111.26 LED94.2
Net-(LED95-Pad2): length 2.4
  Bottom w1: R95.2 300.02,82.7 LED95.2
Net-(LED96-Pad2): length 2.4
  Bottom w1: R96.2 300.08,63.71 LED96.2
Net-(LED97-Pad2): length 2.4
  Bottom w1: LED97.2 299.97,44.55 R97.2
Net-(LED98-Pad2): length 2.3
  Bottom w1: R98.2 300.16,1.88 LED98.2
Net-(LED99-Pad2): length 2.4
  Bottom w1: LED99.2 319.09,130.31 R99.2
Net-(LED100-Pad2): length 2.4
  Bottom w1: LED100.2 319.06,111.26 R100.2
Net-(LED101-Pad2): length 2.4
  Bottom w1: R101.2 323.82,82.69 LED101.2
Net-(LED102-Pad2): length 2.5
  Bottom w1: LED102.2 323.66,63.47 R102.2
Net-(LED103-Pad2): length 2.4
  Bottom w1: R103.2 323.82,44.59 LED103.2
Net-(LED104-Pad2): length 2.3
  Bottom w1: LED104.2 323.86,25.57 R104.2
Net-(LED106-Pad2): length 2.4
  Bottom w1: LED106.2 342.9,130.31 R106.2
Net-(LED107-Pad2): length 2.3
  Bottom w1: LED107.2 343.06,111.43 R107.2
Net-(LED108-Pad2): length 2.4
  Bottom w1: LED108.2 342.83,82.65 R108.2
Net-(LED109-Pad2): length 2.4
  Bottom w1: R109.2 342.87,63.64 LED109.2
Net-(LED110-Pad2): length 2.2
  Bottom w0.5: 340.95,44.82 LED110.2
Net-(LED111-Pad2): length 2.3
  Bottom w1: LED111.2 342.91,25.57 R111.2
Net-(LED112-Pad2): length 2.2
  Bottom w1: R112.2 LED112.2
Net-(LED113-Pad2): length 2.3
  Bottom w1: R113.2 362.14,130.55 LED113.2
Net-(LED114-Pad2): length 2.4
  Bottom w1: R114.2 361.95,111.26 LED114.2
Net-(LED115-Pad2): length 2.4
  Bottom w1: R115.2 361.88,82.65 LED115.2
Net-(LED116-Pad2): length 2.4
  Bottom w1: R116.2 361.85,63.57 LED116.2
Net-(LED117-Pad2): length 2.1
  Bottom w0.5: LED117.2 360,44.82
Net-(LED118-Pad2): length 2.3
  Bottom w0.5: 359.85,25.77 LED118.2
Net-(LED119-Pad2): length 2.3
  Bottom w1: R119.2 362.06,6.62 LED119.2
Net-(LED120-Pad2): length 2.3
  Bottom w1: LED120.2 381.19,130.55 R120.2
Net-(LED121-Pad2): length 2.4
  Bottom w1: LED121.2 380.95,111.26 R121.2
Net-(LED122-Pad2): length 2.4
  Bottom w1: LED122.2 380.99,82.7 R122.2
Net-(LED123-Pad2): length 3
  Bottom w1: R123.2 376.6,51.96 LED123.2
Net-(LED125-Pad2): length 2.7
  Bottom w1: 374.98,21.95 376.75,21.95 LED125.2
Net-(LED127-Pad2): length 2.2
  Bottom w1: R127.2 276.38,82.97 LED127.2
Net-(LED128-Pad2): length 3.3
  Bottom w0.75: 93.07,6.74 92.89,6.56 R128.2
Net-(LED129-Pad2): length 2.8
  Bottom w0.75: LED129.2 164.5,6.71 R129.2
Net-(LED391-Pad2): length 15.2
  Bottom w0.5: LED392.2 124.03,5.93
  Bottom w1: R39.2 123.86,6.55 LED392.2 124.03,5.45 125,4.48 128.14,4.48 129.11,5.45 129.11,6.72 LED391.2
Net-(LED401-Pad2): length 14.4
  Bottom w0.5: 19.15,47.1 LED402.2 ; 19.15,47.1 21.58,47.1 ; 19.15,47.1 13.1,47.1 12.11,46.11 LED401.2
Net-(LED501-Pad2): length 2.3
  Bottom w1: LED501.2 12.1,25.78 R501.2
Net-(LED502-Pad2): length 2.5
  Bottom w1: LED502.2 21.63,25.78 R502.2
Net-(LED601-Pad2): length 10.7
  Top w1: LED601.2 12.12,7.91 13.06,8.85 16.31,8.85 17.2,7.96 LED602.2
  Bottom w1: R6.2 10.04,6.72 12.11,6.72
Net-(LED641-Pad2): length 9.5
  Top w1: LED641.2 200.23,7.74 200.92,8.42 203.99,8.42 204.98,7.43 LED642.2
  Bottom w1: R64.2 200,6.49 LED641.2
Net-(LED781-Pad2): length 9.4
  Top w0.5: LED782.2 233.55,7.56 234.39,8.4 237.47,8.4 238.33,7.53 LED781.2
  Bottom w0.5: R78.2 233.35,6.52 LED782.2
Net-(LED881-Pad2): length 2.3
  Bottom w1: LED881.2 257.24,82.8 255.15,82.8
Net-(LED882-Pad2): length 2.6
  Bottom w1: LED882.2 266.79,82.8 R882.2
Net-(LED901-Pad2): length 2.6
  Bottom w1: R901.2 264.11,44.41 LED901.2
Net-(LED902-Pad2): length 2.4
  Bottom w0.75: 270.24,58.16 270.16,58.08 R902.2
Net-(LED1051-Pad2): length 2.5
  Bottom w1: LED1051.2 R1051.2
Net-(LED1052-Pad2): length 2.2
  Bottom w1: R1052.2 323.9,6.88 LED1052.2
Net-(LED1241-Pad2): length 3.7
  Bottom w1: LED1241.2 376.56,60.69 375.55,61.72 R1241.2
Net-(LED1242-Pad2): length 2.2
  Bottom w1: LED1242.2 377.39,72.36 377.45,72.42
Net-(LED2001-Pad2): length 18.2
  Bottom w0.5: LED2002.2 44.45,8.09 46.81,8.09 47.3,7.61 56.54,7.61 57.43,6.72 R20.2
  Bottom w1: 59.74,6.72 59.5,6.49 R20.2
Net-(Q702-Pad4): length 6.1
  Bottom w0.5: R707.2 164.91,96.2 R706.2 164.6,95.89 161.8,95.89
Net-(R200-Pad2): length 64.7
  Top w0.3: v1(260.5,100.67) 260.31,100.48 258.8,100.48 258.15,99.83 258.15,98.39 257.58,97.83 254.82,97.83 253.76,96.77 253.27,96.77 v1(252.42,97.61)
  Bottom w0.3: U701.12 251.92,99.38 252.2,99.1 252.2,97.83 v1(252.42,97.61) ; R200.2 305.38,100.3 301.3,100.3 298.5,97.5 289.1,97.5 287.68,98.92 278.2,98.92 277.23,97.95 273.05,97.95 270.32,100.67 v1(260.5,100.67)
Net-(R201-Pad2): length 44
  Bottom w0.3: U701.11 252.1,99.88 252.7,99.28 252.7,98.61 253.36,97.95 257.28,97.95 259.6,100.28 259.6,101.28 259.93,101.6 270.1,101.6 273.27,98.43 277,98.43 277.97,99.4 R201.2
Net-(R202-Pad2): length 13.2
  Bottom w0.3: U701.10 252.28,100.38 253.2,99.46 253.2,98.79 253.55,98.44 256.87,98.44 259,100.58 259,103 R202.2
Net-(R710-Pad2): length 6.8
  Bottom w0.5: U705.4 25.4,126.58 24.67,127.3 R710.2

## Copper pours and planes (outline as drawn; the poured copper is in the pictures)
+3V3 on Top: 257.25,97.5 254,97.5 254,95.75 235.1,95.75 235.1,108.25 257.25,108.25
+3V3 on Top: 186.2,112.4 182.38,112.4 182.32,115.05 186.14,115.05
+3V3 on Top: 170.78,112.05 167.92,112.05 167.92,114.43 170.78,114.43
+3V3 on Top, Bottom: 201.6,128.07 198.9,128.07 198.9,129.07 201.6,129.07
+3V3 on Bottom: 189.5,117.25 186.25,117.25 186.25,111 182,111 182,120.25 189.5,120.25
+5V on Bottom: 188,139 186.5,139 186.25,138.75 186.25,132 186.75,131.5 186.75,129 184.75,129 184.75,131 184.25,131.5 184.25,141 188,141
GND on Top: 392,1 2,1 2,146 392,146
GND on Top: 162.49,95.82 159.39,95.82 159.39,99.87 162.49,99.87
GND on Top: 239.25,106.83 239.25,104.83 227.25,104.83 227.25,107.83 228.5,108.83 237.75,108.83
GND on Top: 191.02,113.96 187.21,113.96 187.21,116.81 191.02,116.81
GND on Bottom: 192.88,111.25 185.62,111.25 185.75,127.5 187.5,128.75 187.5,131.5 186.75,132.5 186.75,138.75 188.25,138.75 188.25,141 193,141
GND on Bottom: 392,1 2,1 2,146 392,146
GND on Bottom: 162.47,94.87 159.37,94.87 159.37,99.87 162.47,99.87
GND on Bottom: 257.25,97.75 254,97.75 254,95.75 234.3,95.75 234.3,108.25 257.25,108.25
VBUS on Top, Bottom: 187.7,142.78 184.9,142.78 184.9,144.78 187.7,144.78
VBUS on Top, Bottom: 199.7,144.57 194,144.57 194,148.07 199.7,148.07
Col1 on Top: 18.2,15.57 16,15.57 16,18.18 18.2,18.18
LED_switch on Top: 158.43,94.82 155.18,94.83 155.2,100.22 158.45,100.2
LED_switch on Top, Bottom: 258,2.18 255.8,2.18 255.8,3.18 258,3.18
LED_switch on Bottom: 158.38,94.88 155.33,94.87 155.33,99.87 158.38,99.88
Net-(D6-Pad2) on Top, Bottom: 11.9,13.18 9.6,13.18 9.6,15.57 11.9,15.57
Net-(D39-Pad2) on Top, Bottom: 123.6,12.97 121.6,12.97 121.6,15.57 123.6,15.57
Net-(H1-Pad1) on Top, Bottom: 307.9,23.68 306.3,23.68 306.3,22.88 301.5,22.88 301.5,23.07 299.8,23.07 299.8,32.28 307.9,32.28
Net-(J705-PadS) on Top: 204,151.8 204,146.6 189.6,146.6 189.6,151.6 191.6,153.4 201.4,153.4
Net-(J705-PadS) on Bottom: 204,151.8 204,146.6 189.6,146.6 189.6,151.6 191.6,153.4 201.4,153.4

## Text on the board
B.SilkS: SWCLK | SWDIO | NRST | NC | GND | +3v3 | 1u+→ | 2u+→ | 1u0→ | 2u0→ | Stepped | - + | 1.25u | + - + | 2.25u | 1.5u | Non- / Stepped | 1.5u Alt | 7u / Stab | 6.25u / 2.25u / Stab | 2.25u / Split / Space | 2.25u / Stab | 7u | +- + | 1.25u / split | 6.25u | 2.75u | 2.75u / split | 2.75u / 6.25u / Stab | P8 | 1u / Alt | 1.5u / Alt | https://github.com/bluepylons/Boston | Powered by the Acheron Library | Revision 9-23-2020 | 1.5u Ctrl | 1u | Split | P12 | ANSI Enter | 2u | BkSpc | ISO Enter | Grounding Screw / (alu version only) | Reset SW | JLCJLCJLCJLC | Right | Down | Install Stabs and Reset Switch before soldering switches | Tilde | Esc | Shift | Ctrl | Tab | Caps | ISO  |\ | Win | 1 | P1 | F1 | Q | ~ | A | 2 | Z | Alt | P2 | F2 | W | S | 3 | X | P3 | F3 | E | D | 4 | C | P4 | F4 | R | F | 5 | V | T | P5 | F5 | G | 6 | Space | B | Y | P6 | F6 | H | 7 | N | U | PCB SN# | P7 | F7 | J | 8 | M | I | F8 | K | 9 | < | O | L | F9 | P9 | 0 | > | Boston - V0.5.1 | P | ; | Menu | P10 | F10 | - | ? | ] | ' | P11 | F11 | # | = | [ | F12 | Left | \ | Enter | PrtSc | P13 | Up | Scroll | P14 | P17 | P18 | P16 | Pause | P15 | Num | Del | Ins | / | 00 | Home | End | * | . | PgUp | PgDn | +
Dwgs.User: Make sure both pads on J701 are circular
F.SilkS: Num | + | Caps | SCRL | Reset SW | Scroll
